# Allegro board pc065a_toplevel_16_allplaced.brd (continued)
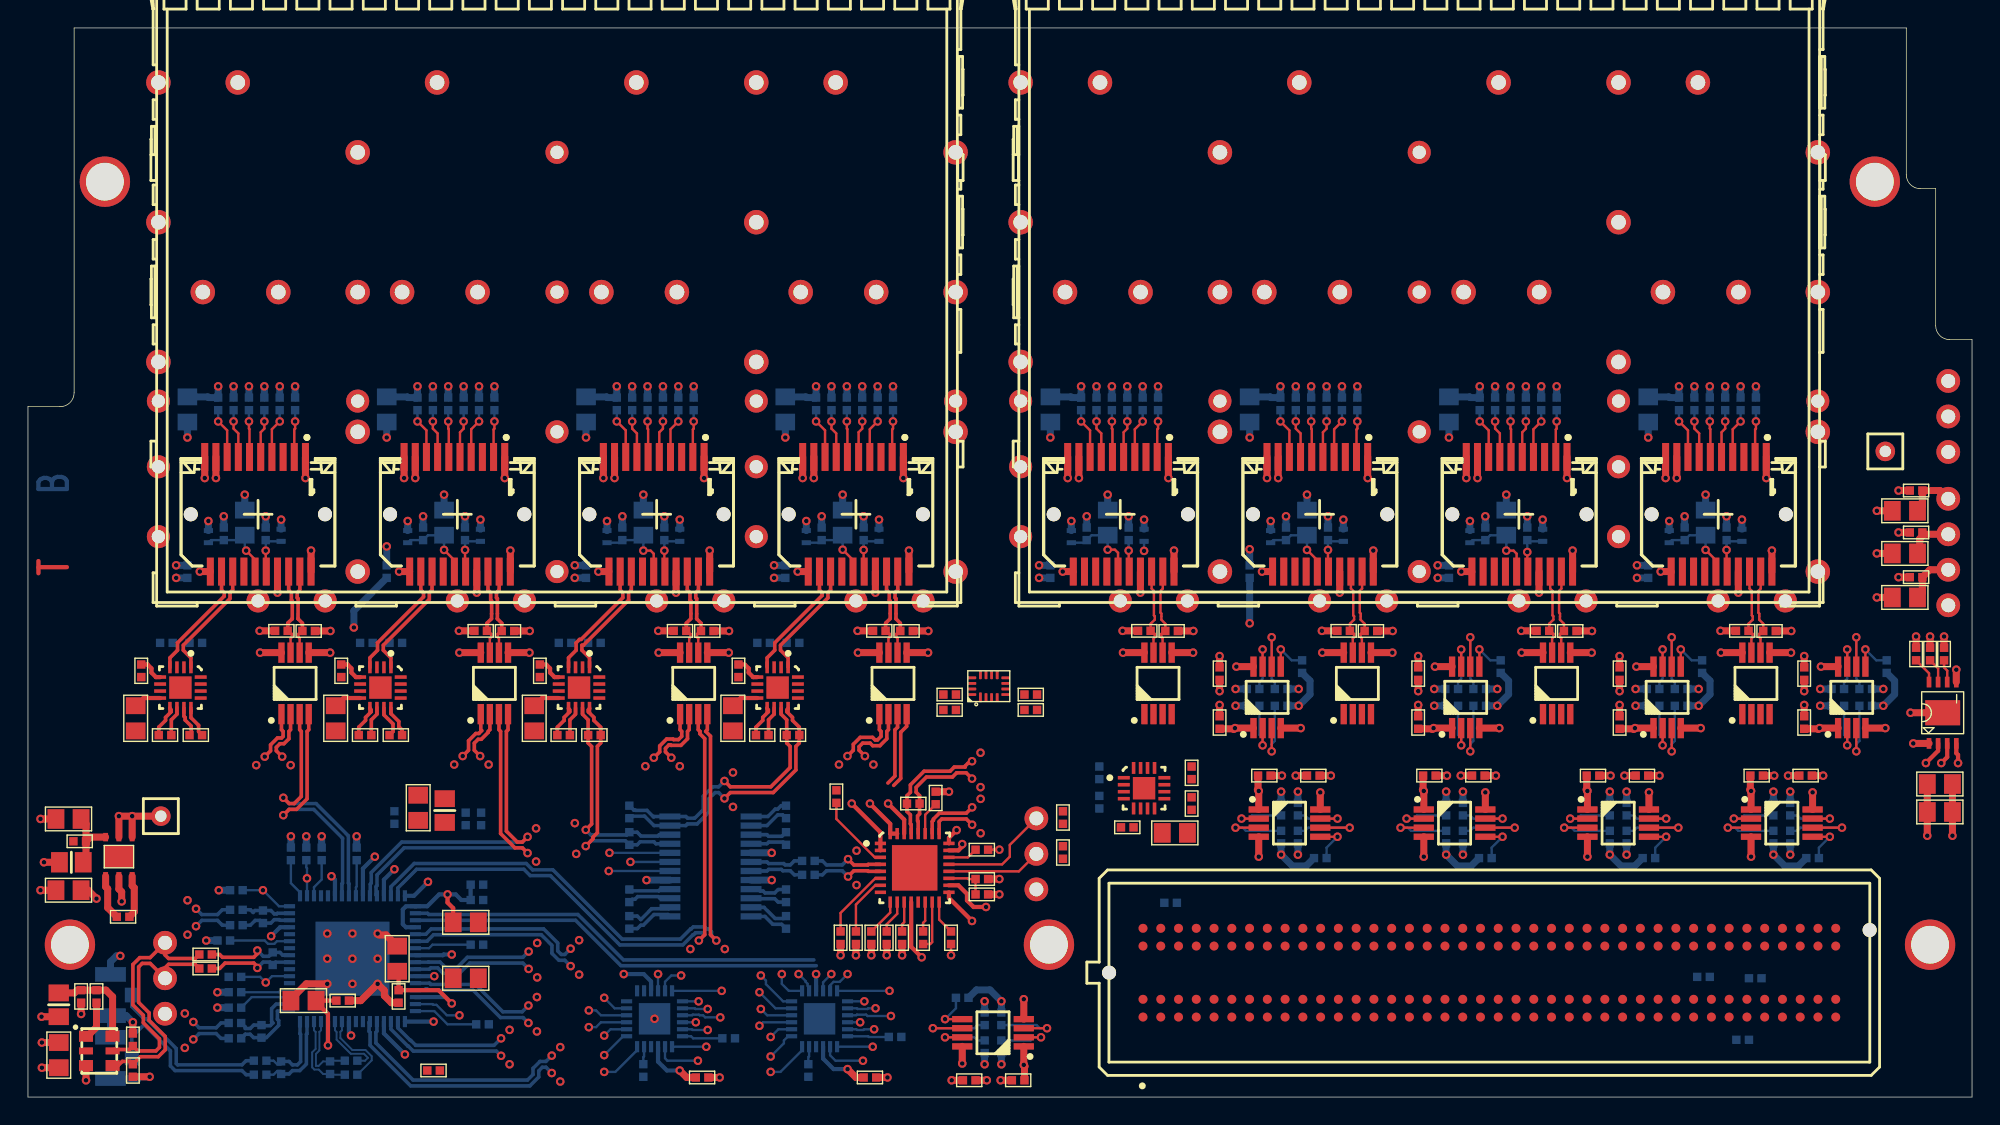
[diagram p0: board, top side]
## Nets (continued)
FMC_LA_P<14>: IC17.3 J10.C18 R156.1
FMC_LA_P<15>: J10.H19 U10.1
FMC_LA_P<16>: J10.G18
FMC_LA_P<17>: J10.D20
FMC_LA_P<18>: IC19.3 J10.C22 R166.1
FMC_LA_P<19>: J10.H22 U9.1
FMC_LA_P<20>: J10.G21
FMC_LA_P<21>: J10.H25 U8.1
FMC_LA_P<22>: J10.G24
FMC_LA_P<23>: J10.D23
FMC_LA_P<24>: J10.H28 U7.1
FMC_LA_P<25>: J10.G27
FMC_LA_P<26>: IC21.7 J10.D26
FMC_LA_P<27>: IC21.6 J10.C26
FMC_LA_P<28>: IC5.10 J10.H31 R65.2(B<0>)
FMC_LA_P<29>: J10.G30
FMC_LA_P<30>: IC6.10 J10.H34 R69.2(B<0>)
FMC_LA_P<31>: J10.G33
FMC_LA_P<32>: IC7.10 J10.H37 R73.2(B<0>)
FMC_LA_P<33>: J10.G36
GBTCLK0_M2C_N: J10.D5
GBTCLK0_M2C_P: J10.D4
I2C_SCL: IC3.16 IC9.20 IC10.19 IC11.7 IC23.19 J1.2 R7.2(B<0>) R94.1 R135.1
I2C_SCL_CVCC: IC11.2 J10.C30 R132.1
I2C_SDA: IC3.18 IC9.21 IC10.20(SDA) IC11.6 IC23.20(SDA) J1.3(A<2>) R8.2(B<0>) R93.1 R134.1
I2C_SDA_CVCC: IC11.3 J10.C31 R131.1
MOD_ABS: J7.6 R26.1
MOD_ABS_1: J12.6 R38.1
MOD_ABS_2: J16.6 R46.1
MOD_ABS_3: J20.6 R54.1
MOD_ABS_4: J24.6 R103.1
MOD_ABS_5: J28.6 R111.1
MOD_ABS_6: J32.6 R119.1
MOD_ABS_7: J36.6 R127.1
MUX_OUT_N: C55.1 IC8.19
MUX_OUT_P: C56.1 IC8.18
MUX_SEL<0>: IC8.6 IC21.15(1B<0>)
MUX_SEL<1>: IC8.7 IC21.14
MUX_SEL<2>: IC8.8 IC21.13
OSC_N: C30.2(B<0>) J5.3(A<2>) QZ1.5 R4.2(B<0>)
OSC_P: C29.2(B<0>) J5.2 QZ1.4(OUTP) R5.2(B<0>)
POWER_GOOD: J10.D1 R182.2(B<0>) U11.7
PRSNT_L: J10.H2 R30.2(B<0>)
RD_BUF_N<0>: IC4.4 J7.12
RD_BUF_N<1>: IC5.4 J12.12
RD_BUF_N<2>: IC6.4 J16.12
RD_BUF_N<3>: IC7.4 J20.12
RD_BUF_P<0>: IC4.1 J7.13
RD_BUF_P<1>: IC5.1 J12.13
RD_BUF_P<2>: IC6.1 J16.13
RD_BUF_P<3>: IC7.1 J20.13
RD_MUX_N<0>: IC4.11 IC8.2 R60.1 R74.2(B<0>)
RD_MUX_N<1>: IC5.11 IC8.4 R64.1 R75.2(B<0>)
RD_MUX_N<2>: IC6.11 IC8.10 R68.1 R76.2(B<0>)
RD_MUX_N<3>: IC7.11 IC8.12 R72.1 R77.2(B<0>)
RD_MUX_N<4>: IC8.13 J36.12 R78.2(B<0>)
RD_MUX_N<5>: IC8.15 J32.12 R79.2(B<0>)
RD_MUX_N<6>: IC8.21 J28.12 R80.2(B<0>)
RD_MUX_N<7>: IC8.23 J24.12 R81.2(B<0>)
RD_MUX_P<0>: IC4.12 IC8.1(PCLK<0>) R60.2(B<0>) R74.1
RD_MUX_P<1>: IC5.12 IC8.3 R64.2(B<0>) R75.1
RD_MUX_P<2>: IC6.12 IC8.9 R68.2(B<0>) R76.1
RD_MUX_P<3>: IC7.12 IC8.11 R72.2(B<0>) R77.1
RD_MUX_P<4>: IC8.14 J36.13 R78.1
RD_MUX_P<5>: IC8.16 J32.13 R79.1
RD_MUX_P<6>: IC8.22 J28.13 R80.1
RD_MUX_P<7>: IC8.24 J24.13 R81.1
REC_CLK_FPGA_N: IC13.11 J10.H5 R97.1
REC_CLK_FPGA_P: IC13.12 J10.H4 R97.2(B<0>)
RST_I2C_B: IC10.24 IC21.12 IC23.24
RST_I2C_B_CVCC: IC21.9 J10.D27
SFP_FAULT<0>: IC10.10 J7.2 R24.2(B<0>)
SFP_FAULT<1>: IC10.11 J12.2 R36.2(B<0>)
SFP_FAULT<2>: IC10.12 J16.2 R44.2(B<0>)
SFP_FAULT<3>: IC10.13 J20.2 R52.2(B<0>)
SFP_FAULT<4>: IC10.14 J36.2 R125.2(B<0>)
SFP_FAULT<5>: IC10.15 J32.2 R117.2(B<0>)
SFP_FAULT<6>: IC10.16 J28.2 R109.2(B<0>)
SFP_FAULT<7>: IC10.17 J24.2 R101.2(B<0>)
SFP_I2C_SCL<0>: IC12.7 J7.5 R27.1 R140.1
SFP_I2C_SCL<1>: IC14.7 J12.5 R39.1 R145.1
SFP_I2C_SCL<2>: IC15.7 J16.5 R47.1 R150.1
SFP_I2C_SCL<3>: IC16.7 J20.5 R55.1 R155.1
SFP_I2C_SCL<4>: IC17.7 J36.5 R128.1 R160.1
SFP_I2C_SCL<5>: IC18.7 J32.5 R120.1 R165.1
SFP_I2C_SCL<6>: IC19.7 J28.5 R112.1 R170.1
SFP_I2C_SCL<7>: IC20.7 J24.5 R104.1 R175.1
SFP_I2C_SDA<0>: IC12.6 J7.4 R28.1 R139.1
SFP_I2C_SDA<1>: IC14.6 J12.4 R40.1 R144.1
SFP_I2C_SDA<2>: IC15.6 J16.4 R48.1 R149.1
SFP_I2C_SDA<3>: IC16.6 J20.4 R56.1 R154.1
SFP_I2C_SDA<4>: IC17.6 J36.4 R129.1 R159.1
SFP_I2C_SDA<5>: IC18.6 J32.4 R121.1 R164.1
SFP_I2C_SDA<6>: IC19.6 J28.4 R113.1 R169.1
SFP_I2C_SDA<7>: IC20.6 J24.4 R105.1 R174.1
SFP_LOS<0>: IC23.10 J7.8 R25.2(B<0>)
SFP_LOS<1>: IC23.11 J12.8 R37.2(B<0>)
SFP_LOS<2>: IC23.12 J16.8 R45.2(B<0>)
SFP_LOS<3>: IC23.13 J20.8 R53.2(B<0>)
SFP_LOS<4>: IC23.14 J36.8 R126.2(B<0>)
SFP_LOS<5>: IC23.15 J32.8 R118.2(B<0>)
SFP_LOS<6>: IC23.16 J28.8 R110.2(B<0>)
SFP_LOS<7>: IC23.17 J24.8 R102.2(B<0>)
SFP_TD_N: J7.19 R23.1 U3.6
SFP_TD_N_1: J12.19 R35.1 U4.6
SFP_TD_N_2: J16.19 R43.1 U5.6
SFP_TD_N_3: J20.19 R51.1 U6.6
SFP_TD_N_4: J24.19 R100.1 U7.6
SFP_TD_N_5: J28.19 R108.1 U8.6
SFP_TD_N_6: J32.19 R116.1 U9.6
SFP_TD_N_7: J36.19 R124.1 U10.6
SFP_TD_P: J7.18 R22.1 U3.7(Q_P)
SFP_TD_P_1: J12.18 R34.1 U4.7(Q_P)
SFP_TD_P_2: J16.18 R42.1 U5.7(Q_P)
SFP_TD_P_3: J20.18 R50.1 U6.7(Q_P)
SFP_TD_P_4: J24.18 R99.1 U7.7(Q_P)
SFP_TD_P_5: J28.18 R107.1 U8.7(Q_P)
SFP_TD_P_6: J32.18 R115.1 U9.7(Q_P)
SFP_TD_P_7: J36.18 R123.1 U10.7(Q_P)
SFP_TX_DISABLE<0>: IC10.1 J7.3
SFP_TX_DISABLE<1>: IC10.2 J12.3
SFP_TX_DISABLE<2>: IC10.3 J16.3
SFP_TX_DISABLE<3>: IC10.4 J20.3
SFP_TX_DISABLE<4>: IC10.5 J36.3
SFP_TX_DISABLE<5>: IC10.6 J32.3
SFP_TX_DISABLE<6>: IC10.7 J28.3
SFP_TX_DISABLE<7>: IC10.8 J24.3
TCK: J10.D29
TDI: J10.D30
TDO: J10.D31
TMS: J10.D33
TRST_L: J10.D34
UNNAMED_1_CAPCERSMDCL2_I31_B: C34.2(B<0>) C35.2(B<0>) J7.15 L5.1
UNNAMED_1_CAPCERSMDCL2_I31_B_1: C43.2(B<0>) C44.2(B<0>) J12.15 L7.1
UNNAMED_1_CAPCERSMDCL2_I31_B_2: C48.2(B<0>) C49.2(B<0>) J16.15 L9.1
UNNAMED_1_CAPCERSMDCL2_I31_B_3: C53.2(B<0>) C54.2(B<0>) J20.15 L11.1
UNNAMED_1_CAPCERSMDCL2_I31_B_4: C62.2(B<0>) C63.2(B<0>) J24.15 L13.1
UNNAMED_1_CAPCERSMDCL2_I31_B_5: C67.2(B<0>) C68.2(B<0>) J28.15 L15.1
UNNAMED_1_CAPCERSMDCL2_I31_B_6: C72.2(B<0>) C73.2(B<0>) J32.15 L17.1
UNNAMED_1_CAPCERSMDCL2_I31_B_7: C77.2(B<0>) C78.2(B<0>) J36.15 L19.1
UNNAMED_1_CAPCERSMDCL2_I35_B: C33.2(B<0>) J7.16 L4.2(B<0>)
UNNAMED_1_CAPCERSMDCL2_I35_B_1: C42.2(B<0>) J12.16 L6.2(B<0>)
UNNAMED_1_CAPCERSMDCL2_I35_B_2: C47.2(B<0>) J16.16 L8.2(B<0>)
UNNAMED_1_CAPCERSMDCL2_I35_B_3: C52.2(B<0>) J20.16 L10.2(B<0>)
UNNAMED_1_CAPCERSMDCL2_I35_B_4: C61.2(B<0>) J24.16 L12.2(B<0>)
UNNAMED_1_CAPCERSMDCL2_I35_B_5: C66.2(B<0>) J28.16 L14.2(B<0>)
UNNAMED_1_CAPCERSMDCL2_I35_B_6: C71.2(B<0>) J32.16 L16.2(B<0>)
UNNAMED_1_CAPCERSMDCL2_I35_B_7: C76.2(B<0>) J36.16 L18.2(B<0>)
UNNAMED_1_CON20PSFP_I19_RATES_1: J12.7 R41.1
UNNAMED_1_CON20PSFP_I19_RATES_2: J16.7 R49.1
UNNAMED_1_CON20PSFP_I19_RATES_3: J20.7 R57.1
UNNAMED_1_CON20PSFP_I19_RATES_4: J24.7 R106.1
UNNAMED_1_CON20PSFP_I19_RATES_5: J28.7 R114.1
UNNAMED_1_CON20PSFP_I19_RATES_6: J32.7 R122.1
UNNAMED_1_CON20PSFP_I19_RATES_7: J36.7 R130.1
UNNAMED_1_CON20PSFP_I19_RATESEL: J7.7 R29.1
UNNAMED_1_RSMD0402_I7_B: IC11.5 R133.2(B<0>)
UNNAMED_1_RSMD0402_I7_B_1: IC12.5 R138.2(B<0>)
UNNAMED_1_RSMD0402_I7_B_2: IC14.5 R143.2(B<0>)
UNNAMED_1_RSMD0402_I7_B_3: IC15.5 R148.2(B<0>)
UNNAMED_1_RSMD0402_I7_B_4: IC16.5 R153.2(B<0>)
UNNAMED_1_RSMD0402_I7_B_5: IC17.5 R158.2(B<0>)
UNNAMED_1_RSMD0402_I7_B_6: IC18.5 R163.2(B<0>)
UNNAMED_1_RSMD0402_I7_B_7: IC19.5 R168.2(B<0>)
UNNAMED_1_RSMD0402_I7_B_8: IC20.5 R173.2(B<0>)
UNNAMED_1_RSMD0402_I10_B: IC4.3 R59.2(B<0>)
UNNAMED_1_RSMD0402_I10_B_1: IC5.3 R63.2(B<0>)
UNNAMED_1_RSMD0402_I10_B_2: IC6.3 R67.2(B<0>)
UNNAMED_1_RSMD0402_I10_B_3: IC7.3 R71.2(B<0>)
UNNAMED_1_RSMD0402_I10_B_4: IC13.3 R96.2(B<0>)
UNNAMED_1_RSMD0402_I11_B: IC4.2(VT) R58.2(B<0>)
UNNAMED_1_RSMD0402_I11_B_1: IC5.2(VT) R62.2(B<0>)
UNNAMED_1_RSMD0402_I11_B_2: IC6.2(VT) R66.2(B<0>)
UNNAMED_1_RSMD0402_I11_B_3: IC7.2(VT) R70.2(B<0>)
UNNAMED_1_RSMD0402_I11_B_4: IC13.2(VT) R95.2(B<0>)
UNNAMED_4_FMCLPCGENERIC_I1_GA0: J10.C34 R184.2(B<0>)
UNNAMED_4_FMCLPCGENERIC_I1_GA1: J10.D35 R185.2(B<0>)
UNNAMED_7_CAPCERSMDCL2_I28_B: C101.2(B<0>) U11.8
UNNAMED_7_CON3P_I14_A: J39.1 TP10.1(A<0>)
UNNAMED_7_MP20075REG_I17_REF: R183.2(B<0>) U11.6
UNNAMED_8_DSC1123CI5_I74_EN: QZ1.1 R3.2(B<0>)
UNNAMED_8_LP38692SD_I104_EN: R2.2(B<0>) U2.3
UNNAMED_8_RSMD0402_I25_B: IC3.3 R20.2(B<0>)
UNNAMED_8_RSMD0402_I26_B: IC3.4 R21.2(B<0>)
UNNAMED_8_RSMD0402_I28_B: IC3.48 R18.2(B<0>)
UNNAMED_8_RSMD0402_I29_B: IC3.25 R19.2(B<0>)
UNNAMED_8_RSMD0402_I30_B: IC3.39 R6.2(B<0>)
UNNAMED_8_RSMD0402_I66_B: IC3.11 R10.2(B<0>)
UNNAMED_8_RSMD0402_I67_B: IC3.17 R11.2(B<0>)
UNNAMED_8_RSMD0402_I68_B: IC3.19 R12.2(B<0>)
UNNAMED_10_ADN2814_I34_CF1: C58.1 IC9.15
UNNAMED_10_ADN2814_I34_CF2: C58.2(B<0>) IC9.14
UNNAMED_10_ADN2814_I34_LOL: IC9.16 R91.1
UNNAMED_10_ADN2814_I34_LOS: IC9.22 R89.2(B<0>)
UNNAMED_10_ADN2814_I34_REFCLKN: IC9.11 R85.2(B<0>)
UNNAMED_10_ADN2814_I34_REFCLKP: IC9.10 R84.2(B<0>)
UNNAMED_10_ADN2814_I34_SADDRS: IC9.19 R82.2(B<0>) R83.2(B<0>)
UNNAMED_10_ADN2814_I34_SLICEN: IC9.7 R87.2(B<0>)
UNNAMED_10_ADN2814_I34_SLICEP: IC9.6 R86.2(B<0>)
UNNAMED_10_ADN2814_I34_SQUELCH: IC9.27 R90.1
UNNAMED_10_ADN2814_I34_THRADJ: IC9.9 R88.2(B<0>)
UNNAMED_10_ADN2814_I34_VREF: C57.1 IC9.3(VREF)
UNNAMED_13_74AVC4T245BRIS_I75_1: IC21.4 R176.1
UNNAMED_13_74AVC4T245BRIS_I75_2: IC21.1 R177.2(B<0>)
UNNAMED_13_74AVC4T245BRIS_I76_1: IC21.16 R179.2(B<0>)
UNNAMED_13_74AVC4T245BRIS_I76_2: IC21.5 R178.1
UNNAMED_13_RSMD0402_I6_B: IC10.18 R31.2(B<0>)
UNNAMED_13_RSMD0402_I8_B: IC10.23 R32.2(B<0>)
UNNAMED_13_RSMD0402_I45_B: IC23.18 R180.2(B<0>)
UNNAMED_13_RSMD0402_I46_B: IC23.23 R181.2(B<0>)
VADJ: J10.G39 J10.H40 J39.3(A<2>)
VREF_A_M2C: J10.H1
XA: C29.1 IC3.8 R17.1
XB: C30.1 IC3.9(XB) R17.2(B<0>)

Pads without a net: IC3 5 7 10 20 21 55 56; IC10 22; IC23 6 7 8 22; NOREF 1; NOREF#2 1; NOREF#3 1; NOREF#4 1; NOREF#5 1; QZ1 2; SFP1 NC; SFP2 NC

## Via types
v1: diameter 0.61, hole 0.33, TOP to BOTTOM, 600 vias

## Routing (per net, layer and track width the routed paths; a pad name or vN(x,y) marks a point on that pad's centre or on a via; arc(x,y) is an arc through that point)
GND: length 208.4
  TOP w0.3: v1(136.8,23.9) 137.22,24.33 137.22,25.3 ; IC9.17 65.85,14.25 v1(67.5,12.6) ; IC9.23 66.53,17.65 66.8,17.92 v1(66.8,18.1) ; v1(61.5,21) 62.65,19.85 IC9.30
  TOP w0.5: J16.20 v1(48.74,39.1) ; J7.9 v1(13.44,44.3) ; IC14.4 v1(99.8,17.2) ; J16.1 v1(48.34,44.3) ; J28.10 v1(102.84,44.3) ; J7.10 v1(12.64,44.3) ; J28.1 v1(110.04,44.3) ; J12.1 v1(34.09,44.3) ; C101.1 v1(135,32.95) ; J20.17 v1(60.59,36.1) ; C98.1 v1(49.45,1.4) ; J7.11 v1(12.29,37.6) ; v1(137.6,18.7) C100.1 C99.1 ; IC15.4 v1(111.5,17.2) ; C83.1 v1(101.45,23) ; J24.10 v1(117.09,44.3) ; J12.10 v1(26.89,44.3) ; J20.11 v1(55.04,37.6) ; C82.1 v1(93.15,23) ; C88.1 v1(128.35,23) ; J32.1 v1(95.79,44.3) ; J12.11 v1(26.54,37.6) ; C39.1 v1(132.2,38.9) ; U9.5 v1(97.55,31.8) ; U11.9 v1(134.6,27.5) ; J32.11 v1(88.24,37.6) ; C94.1 v1(113.8,31.55) ; J28.11 v1(102.49,37.6) ; J20.10 v1(55.39,44.3) ; J24.11 v1(116.74,37.6) ; C38.1 v1(133.75,40.4) ; R86.1 v1(58.1,10.15) ; R85.1 v1(62.5,10.15) ; C81.1 v1(89.65,23) ; J20.20 v1(62.99,39.1) ; U5.5 v1(50.1,31.8) ; J28.17 v1(108.04,36.1) ; R83.1 v1(69.45,14.5) ; J32.17 v1(93.79,36.1) ; J7.20 v1(20.24,39.1) ; C4.1 4.3,14.8 v1(4.9,14.2) ; J36.20 v1(81.94,39.1) ; U6.5 v1(64.35,31.8) ; J36.1 v1(81.54,44.3) ; R87.1 v1(59.2,10.15) ; J32.10 v1(88.59,44.3) ; 103.78,26.4 v1(105.2,26.4) ; v1(6.7,14) 6.7,14.68 6.5,14.88 U2.2 ; J7.17 v1(17.84,36.1) ; IC19.4 v1(119.6,26.4) ; C36.1 v1(133.75,37.2) ; v1(21.4,8.1) 19.9,8.1 18.8,7 C19.1 ; J20.1 v1(62.59,44.3) ; IC20.4 v1(132.8,26.4) ; 81.78,31.8 v1(83.3,31.8) ; C2.1 v1(132.2,41.95) ; R90.2 v1(65.85,21.85) ; C16.1 25.6,11.6 25.1,11.6 v1(25,11.7) ; QZ1.3 v1(4.15,1.2) ; J20.9 v1(56.19,44.3) ; R88.1 v1(60.3,10.15) ; C87.1 v1(124.85,23) ; J16.11 v1(40.79,37.6) ; J24.9 v1(117.89,44.3) ; C89.1 v1(85.2,28.05) ; J16.10 v1(41.14,44.3) ; C20.1 23.8,6.9 v1(25,8.1) 25.48,7.62 25.48,7.25 25.98,6.75 C18.1 ; C90.1 v1(85.2,31.55) ; C92.1 v1(99.4,31.55) ; J16.9 v1(41.94,44.3) ; C95.1 v1(127,28.05) ; 110.28,31.8 v1(111.8,31.8) ; J7.1 v1(19.84,44.3) ; J16.17 v1(46.34,36.1) ; 89.58,26.4 v1(91,26.4) ; J12.17 v1(32.09,36.1) ; IC16.4 v1(123.2,17.2) ; C37.1 v1(132.2,35.75) ; J12.20 v1(34.49,39.1) ; C6.1 v1(1,2.1) ; J24.20 v1(124.69,39.1) ; J24.1 v1(124.29,44.3) ; J32.20 v1(96.19,39.1) ; 34.33,31.8 v1(35.85,31.8) ; R5.1 v1(8.7,1.45) ; C97.1 v1(61.45,1.4) ; C96.1 v1(127,31.55) ; C91.1 v1(99.4,28.05) ; C1.1 v1(133.75,43.4) ; J32.9 v1(89.39,44.3) ; C84.1 v1(104.95,23) ; J12.9 v1(27.69,44.3) ; U3.5 v1(21.6,31.8) ; J36.10 v1(74.34,44.3) ; C79.1 v1(69.55,1.2) ; J28.20 v1(110.44,39.1) ; C10.1 v1(3.8,5.95) ; U7.5 v1(126.05,31.8) ; J36.9 v1(75.14,44.3) ; IC11.4 v1(71.2,7) ; C93.1 v1(113.8,28.05) ; C80.1 v1(66.05,1.2) ; J36.11 v1(73.99,37.6) ; C86.1 v1(116.65,23) ; IC12.4 v1(88,17.2) ; C8.1 v1(0.9,19.9) ; J36.17 v1(79.54,36.1) ; R4.1 v1(7.5,5.35) ; C85.1 v1(113.15,23) ; J28.9 v1(103.64,44.3) ; J24.17 v1(122.29,36.1)
  BOTTOM w0.3: v1(42.6,8.8) 44.03,8.8 44.55,8.28 IC23.9 ; IC10.9 v1(56.35,8.8)
  BOTTOM w0.5: R12.1 v1(21,18.65) ; C61.1 v1(121.45,41.55) ; C72.1 v1(91.45,43.1) ; v1(6.6,10.1) 6.32,10.1 5.9,9.68 PX2.3 ; R21.1 v1(13.55,7.5) ; C45.1 v1(39.1,38.05) ; C54.1 v1(56.75,41.55) ; C51.1 v1(54.15,47.2) ; C31.1 v1(10.6,38.05) ; C78.1 v1(75.7,41.55) ; C33.1 v1(17,41.55) ; C53.1 v1(58.25,43.1) ; C74.1 v1(72.3,38.05) ; C47.1 v1(45.5,41.55) ; C73.1 v1(89.95,41.55) ; 51.7,17.48 v1(53.17,17.48) ; C42.1 v1(31.25,41.55) ; C66.1 v1(107.2,41.55) ; C70.1 v1(87.35,47.2) ; R19.1 v1(23.5,18.65) ; R20.1 v1(13.55,6.4) ; C52.1 v1(59.75,41.55) ; C68.1 v1(104.2,41.55) ; R10.1 v1(12.75,11.2) ; C34.1 v1(15.5,43.1) ; C63.1 v1(118.45,41.55) ; PX1.3 PX2.2 7.03,5.83 v1(7.5,5.35) ; C50.1 v1(53.35,38.05) ; C43.1 v1(29.75,43.1) ; C64.1 v1(100.8,38.05) ; C77.1 v1(77.2,43.1) ; C35.1 v1(14,41.55) ; C48.1 v1(44,43.1) ; C32.1 v1(11.4,47.2) ; C75.1 v1(73.1,47.2) ; C60.1 v1(115.85,47.2) ; C65.1 v1(101.6,47.2) ; C44.1 v1(28.25,41.55) ; C67.1 v1(105.7,43.1) ; PX1.2 7.89,1.33 8.02,1.45 v1(8.7,1.45) ; C69.1 v1(87.35,39.2) ; C49.1 v1(42.5,41.55) ; C76.1 v1(78.7,41.55) ; C62.1 v1(119.95,43.1) ; R11.1 v1(18.8,18.65) ; C59.1 v1(115.05,38.05) ; C71.1 v1(92.95,41.55) ; C41.1 v1(25.65,47.2) ; C46.1 v1(39.9,47.2) ; C40.1 v1(25.65,39.4)
  vias: v1(11.21,5.98) v1(11.21,3.52) v1(11.41,14.08) v1(11.41,11.62) v1(16.32,23.75) v1(18.78,23.75) v1(21.4,11.7) v1(21.4,9.9) v1(23.2,11.7) v1(23.2,9.9) v1(23.2,8.1) v1(25,9.9) v1(30.48,23.79) v1(32.94,23.79) v1(34.43,4.81) v1(34.43,2.35) v1(36.33,19.23) v1(36.33,16.85) v1(36.41,11.02) v1(36.41,8.56) v1(36.39,7.16) v1(36.39,4.69) v1(38.06,3.57) v1(38.06,1.11) v1(39.1,19.6) v1(39.2,17.4) v1(39.41,11.22) v1(39.41,8.76) v1(44.14,23.67) v1(44.8,5.6) v1(46.61,23.67) v1(47.36,10.59) v1(49.82,10.59) v1(50.41,23.22) v1(50.41,20.76) v1(57.99,23.79) v1(59.24,17.63) v1(59.24,15.17) v1(60.45,23.79) v1(68.11,24.64) v1(68.11,22.18) v1(68.11,21.34) v1(68.11,18.88)
P1V3: length 28.3
  TOP w0.3: v1(135.7,23.9) 136.57,24.77 136.57,25.3 ; 137.88,25.3 137.88,24.61 138,24.48 v1(138,23.9)
  TOP w0.5: R108.2 v1(111.82,33.35) ; R123.2 v1(78.27,33.36) ; R116.2 v1(97.57,33.35) ; R43.2 v1(50.12,33.35) ; R124.2 v1(83.32,33.35) ; R107.2 v1(106.77,33.36) ; R35.2 v1(35.87,33.35) ; R51.2 v1(64.37,33.35) ; R115.2 v1(92.52,33.36) ; v1(135.8,18.7) C100.2 C99.2 ; C37.2 135.45,36.1 C36.2 135.98,37.73 J40.2 ; R99.2 v1(121.02,33.36) ; R42.2 v1(45.07,33.36) ; R22.2 v1(16.57,33.36) ; R23.2 v1(21.62,33.35) ; R34.2 v1(30.82,33.36) ; R50.2 v1(59.32,33.36) ; R100.2 v1(126.07,33.35)
P1V8A: length 23.1
  TOP w0.3: v1(30.3,6.7) 29.35,7.65 C18.2 26.5,8.62 26.4,8.72 C16.2 ; C20.2 C19.2 20.6,6.8 21.45,5.95 v1(21.45,3.7)
  TOP w0.5: U2.5 v1(6.5,20.1) v1(7.45,20.1) ; v1(7.45,20.1) TP1.1 ; v1(7.45,20.1) U2.4
  BOTTOM w0.3: IC3.32 27.6,14.4 v1(28.6,15.4) ; v1(30.3,6.7) 29.85,7.15 IC3.46 ; IC3.60 v1(21.45,3.7)
P2V5: length 83.2
  TOP w0.3: IC5.8 22.55,28.55 C105.2 ; IC4.5 9.15,30.05 8.83,30.37 8.83,30.67 8.55,30.95 C102.2 ; IC6.8 36.75,28.55 C107.2 ; C108.2 51.25,30.95 51.53,30.67 51.53,30.37 51.85,30.05 IC7.5 ; C106.2 37.05,30.95 37.33,30.67 37.33,30.37 37.65,30.05 IC6.5 ; IC4.8 8.25,28.55 C103.2 ; C104.2 22.85,30.95 23.13,30.67 23.13,30.37 23.45,30.05 IC5.5 ; C109.2 50.95,28.55 IC7.8
  TOP w0.5: IC18.1 v1(100.5,26.4) 100.45,26.35 ; 86.2,26.3 86.25,26.35 ; 86.25,26.35 C89.2 ; 86.25,26.35 v1(86.3,26.4) IC17.1 ; 71.2,3.62 v1(71.2,2.3) 71.25,2.25 ; C38.2 135.58,40.27 ; 135.58,40.27 135.26,39.95 135.26,39.06 C39.2 ; 135.58,40.27 J40.3 ; 129.43,26.4 v1(128.1,26.4) 128.05,26.35 ; 100.45,26.35 100.4,26.3 ; 100.45,26.35 C91.2 ; 71.25,2.25 71.3,2.2 ; 71.25,2.25 C79.2 ; 123.1,22 123.15,21.95 ; 123.15,21.95 C87.2 ; 123.15,21.95 v1(123.2,21.9) 123.2,20.58 ; 111.5,20.58 v1(111.5,21.9) 111.45,21.95 ; 111.45,21.95 111.4,22 ; 111.45,21.95 C85.2 ; 116.22,26.4 v1(114.9,26.4) 114.85,26.35 ; 87.9,22 87.95,21.95 ; 87.95,21.95 v1(88,21.9) 88,20.58 ; 87.95,21.95 C81.2 ; 99.7,22 99.75,21.95 ; 99.75,21.95 C83.2 ; 99.75,21.95 v1(99.8,21.9) 99.8,20.58 ; 128,26.3 128.05,26.35 ; 128.05,26.35 C95.2 ; 114.85,26.35 114.8,26.3 ; 114.85,26.35 C93.2 ; R183.1 v1(137,32.95)
  BOTTOM w0.5: R163.1 105.87,29.78 105.87,28.81 v1(105.05,28) R161.2 ; R151.2 v1(124.8,17.35) 125.61,16.53 126.58,16.53 R153.1 ; R143.1 103.18,16.53 102.21,16.53 v1(101.4,17.35) R141.2 ; R142.2 v1(101.4,21.85) ; R137.2 v1(89.6,21.85) ; R156.2 v1(90.85,28) 91.67,28.81 91.67,29.78 R158.1 ; R167.2 v1(114.95,28) ; R132.2 v1(69.6,2.35) ; R136.2 v1(89.6,17.35) 90.41,16.53 91.38,16.53 R138.1 ; R152.2 v1(124.8,21.85) ; R168.1 120.27,29.78 120.27,28.81 v1(119.45,28) R166.2 ; R172.2 v1(128.15,28) ; R131.2 v1(69.6,6.85) 68.79,7.67 67.82,7.67 R133.1 ; R157.2 v1(86.35,28) ; R171.2 v1(132.65,28) 133.47,28.81 133.47,29.78 R173.1 ; R148.1 114.88,16.53 113.91,16.53 v1(113.1,17.35) R146.2 ; R147.2 v1(113.1,21.85) ; R162.2 v1(100.55,28)
P3V3: length 165.8
  TOP w0.3: IC9.18 66.53,15.15 67.14,14.54 67.14,14.07 67.61,13.6 v1(68.5,13.6) ; v1(63.9,10) 63.15,10.75 IC9.12 ; IC9.2 IC9.1 60.95,18.95 v1(58.9,21) ; IC9.24 65.85,18.55 v1(66.4,19.1) ; IC9.31 IC9.32 61.65,19.55 v1(60.2,21)
  TOP w0.5: 129.43,30.8 v1(128.2,30.8) ; J40.4 136.71,43.4 C1.2 135.45,42.3 C2.2 ; 135.93,25.3 v1(134.8,25.3) ; C92.2 v1(99.4,29.05) ; U6.8 v1(59.35,31.8) ; C6.2 v1(1,3.9) ; R82.1 v1(69.45,15.6) ; C80.2 v1(68.55,1.2) ; R182.1 v1(136,32.95) ; C82.2 v1(90.65,23) ; 115.9,20.58 v1(115.9,21.8) ; 104.2,20.58 v1(104.2,21.8) ; U5.8 v1(45.1,31.8) ; C88.2 v1(125.85,23) ; 92.4,20.58 v1(92.4,21.8) ; U8.8 v1(106.8,31.8) ; v1(46.6,1.9) 47.1,1.4 C98.2 ; R84.1 v1(61.4,10.15) ; L3.1 v1(0.97,5.75) ; 127.6,20.58 v1(127.6,21.8) ; v1(58.6,2) 59.2,1.4 C97.2 ; U11.5 v1(137.88,30.58) ; L1.1 v1(1.15,16.8) ; IC17.8 v1(86.4,30.8) ; C96.2 v1(127,29.05) ; U4.8 v1(30.85,31.8) ; IC18.8 v1(100.6,30.8) ; C4.2 v1(0.9,14.8) ; C94.2 v1(113.8,29.05) ; 116.22,30.8 v1(115,30.8) ; 66.8,3.62 v1(66.8,2.4) ; U9.8 v1(92.55,31.8) ; 18.12,31.8 v1(16.6,31.8) ; U7.8 v1(121.05,31.8) ; C86.2 v1(114.15,23) ; C84.2 v1(102.45,23) ; C90.2 v1(85.2,29.05) ; U10.8 v1(78.3,31.8)
  BOTTOM w0.3: IC10.21 56.85,2.75 57.6,2 v1(58.6,2) ; v1(46.6,1.9) 45.68,1.9 45.05,2.53 IC23.21
  BOTTOM w0.5: R109.1 v1(109.3,50.85) ; R128.2 v1(78.6,50.85) ; C75.2 74.57,50.1 74.62,50.05 R126.1 v1(75.3,50.85) ; R27.2 v1(16.9,50.85) ; R155.2 v1(126,21.85) ; L14.1 v1(108.3,41.32) ; R175.2 v1(128.15,29.2) ; R145.2 v1(102.6,21.85) ; R111.2 v1(106,50.85) ; R56.2 v1(60.75,50.85) ; R120.2 v1(92.85,50.85) ; 55.65,40.54 v1(55.65,41.22) ; R114.2 v1(104.9,50.85) ; L10.1 v1(60.85,41.32) ; 12.9,40.54 v1(12.9,41.22) ; R129.2 v1(79.7,50.85) ; R121.2 v1(93.95,50.85) ; R119.2 v1(91.75,50.85) ; R164.2 v1(105.05,29.2) ; IC8.20 v1(53.17,15.53) ; R122.2 v1(90.65,50.85) ; L12.1 v1(122.55,41.32) ; 74.6,40.54 v1(74.6,41.22) ; R47.2 v1(45.4,50.85) ; R127.2 v1(77.5,50.85) ; C45.2 v1(39.1,37.15) ; R144.2 v1(102.6,17.35) ; R52.1 v1(61.85,50.85) ; R130.2 v1(76.4,50.85) ; L16.1 v1(94.05,41.32) ; L8.1 v1(46.6,41.32) ; R46.2 v1(44.3,50.85) ; R125.1 v1(80.8,50.85) ; 41.4,40.54 v1(41.4,41.22) ; v1(56.35,50.85) R53.1 55.67,50.05 55.62,50.1 C51.2 ; v1(118.05,50.85) R102.1 117.37,50.05 117.32,50.1 C60.2 ; v1(23.3,33.6) 23.3,34.8 C40.2 ; R150.2 v1(114.3,21.85) ; C31.2 v1(10.6,37.15) ; C70.2 88.82,50.1 88.87,50.05 R118.1 v1(89.55,50.85) ; R39.2 v1(31.15,50.85) ; C50.2 v1(53.35,37.15) ; R26.2 v1(15.8,50.85) ; R24.1 v1(19.1,50.85) ; C41.2 27.12,50.1 27.17,50.05 R37.1 v1(27.85,50.85) ; R48.2 v1(46.5,50.85) ; C59.2 v1(115.05,37.15) ; L18.1 v1(79.8,41.32) ; R44.1 v1(47.6,50.85) ; R112.2 v1(107.1,50.85) ; v1(13.6,50.85) R25.1 12.92,50.05 12.87,50.1 C32.2 ; C65.2 103.07,50.1 103.12,50.05 R110.1 v1(103.8,50.85) ; 117.35,40.54 v1(117.35,41.22) ; R117.1 v1(95.05,50.85) ; 103.1,40.54 v1(103.1,41.22) ; R54.2 v1(58.55,50.85) ; R101.1 v1(123.55,50.85) ; R104.2 v1(121.35,50.85) ; R170.2 v1(114.95,29.2) ; R41.2 v1(28.95,50.85) ; R38.2 v1(30.05,50.85) ; R140.2 v1(90.8,21.85) ; R139.2 v1(90.8,17.35) ; C74.2 v1(72.3,37.15) ; R169.2 v1(119.45,29.2) ; R28.2 v1(18,50.85) ; R106.2 v1(119.15,50.85) ; R105.2 v1(122.45,50.85) ; R159.2 v1(90.85,29.2) ; R36.1 v1(33.35,50.85) ; L6.1 v1(32.35,41.32) ; R165.2 v1(100.55,29.2) ; R113.2 v1(108.2,50.85) ; IC8.5 v1(44.23,15.53) ; v1(42.1,50.85) R45.1 41.42,50.05 41.37,50.1 C46.2 ; L4.1 v1(18.1,41.32) ; R149.2 v1(114.3,17.35) ; R40.2 v1(32.25,50.85) ; R57.2 v1(57.45,50.85) ; R174.2 v1(132.65,29.2) ; R135.2 v1(68.4,2.35) ; R49.2 v1(43.2,50.85) ; C64.2 v1(100.8,37.15) ; 27.15,40.54 v1(27.15,41.22) ; R154.2 v1(126,17.35) ; R55.2 v1(59.65,50.85) ; R134.2 v1(68.4,6.85) ; C69.2 v1(87.35,33.9) ; R160.2 v1(86.35,29.2) ; R103.2 v1(120.25,50.85) ; R29.2 v1(14.7,50.85) ; 88.85,40.54 v1(88.85,41.22)
P3V3A: length 11.3
  TOP w0.5: C5.2 4.15,19.55 C8.2 ; C5.2 4.15,17 L1.2 ; C5.2 4.45,18.6 U2.6 ; R2.1 5.7,13.55 5.7,14.9 5.55,15.05 U2.1
  BOTTOM w0.3: IC3.13 18.02,12.15 v1(17.39,11.51)
  BOTTOM w0.5: R7.1 v1(13.65,14.8) ; R8.1 v1(19.9,18.65)
P3V3B: length 27.7
  TOP w0.3: v1(30,14.5) 30,13.92 30.4,13.52 C12.2
  BOTTOM w0.3: IC3.57 22.95,4.55 v1(23.1,4.4) ; IC3.22 21.95,15.55 v1(21.7,15.8) ; IC3.49 v1(29,5.4) ; C7.2 C9.2 30.98,14.1 30.58,14.5 v1(30,14.5) 29.4,14.5 28.55,13.65 IC3.33 27.02,13.65 26.8,13.43 26.8,12.37 27.02,12.15 IC3.36 ; IC3.43 v1(29.05,8.65) ; v1(26.95,3.05) 25.45,4.55 IC3.52 ; IC3.29 25.45,15.55 v1(26.2,16.3) ; IC3.40 29.67,10.15 29.72,10.2 v1(30.3,10.2) ; IC3.26 23.95,16.35 v1(24.8,17.2)
P3V3C: length 7
  TOP w0.5: QZ1.6 6.05,7.18 5.58,7.65 R3.1 C10.2 3.52,7.65 3.32,7.45 L3.2
CDR_CLK_N: length 3.5
  TOP w0.254: v1(67.51,19.48) 67.09,19.9 65.34,19.9 65.15,19.71 IC9.25
CDR_CLK_P: length 4.2
  TOP w0.254: IC9.26 64.65,19.71 64.74,19.8 64.74,19.89 65.16,20.31 67.09,20.31 v1(67.51,20.73)
CDR_D_N: length 8.1
  TOP w0.254: IC9.28 63.65,19.71 63.61,19.76 63.61,20.12 63.75,20.26 R92.2 63.75,21.56 63.51,21.81 63.51,22.17 64.24,22.9 66.1,22.9 66.4,23.2 67.08,23.2 v1(67.5,22.78)
CDR_D_P: length 8.9
  TOP w0.254: v1(67.5,24.03) 67.36,23.89 67.21,23.89 67.01,23.69 67.01,23.61 66.23,23.61 65.93,23.31 64.07,23.31 63.09,22.34 63.09,21.81 62.85,21.56 R92.1 62.85,20.44 63.09,20.19 63.09,19.55 63.15,19.49 IC9.29
CDR_IN_N: length 5.2
  TOP w0.254: v1(58.63,15.78) 59.05,16.19 60.04,16.19 60.09,16.15 IC9.5
  BOTTOM w0.254: C55.2 56.8,15.9 57.1,16.19 58.22,16.19 v1(58.63,15.78)
CDR_IN_P: length 5.2
  TOP w0.254: IC9.4 60.09,16.65 60.04,16.61 59.05,16.61 v1(58.63,17.02)
  BOTTOM w0.254: C56.2 56.8,16.9 57.1,16.61 58.22,16.61 v1(58.63,17.02)
CDR_LOL: length 3.6
  TOP w0.17: R91.2 v1(66,10.15)
  BOTTOM w0.17: IC23.4 40.97,5.85 40.62,6.2 v1(40.1,6.2)
CDR_LOS: length 2.7
  TOP w0.17: R89.1 v1(69.45,17.7)
  BOTTOM w0.17: v1(41.2,7.1) 41.95,6.35 IC23.5
CLK_IN_N<0>: length 12
  BOTTOM w0.254: C22.2 15.6,2.6 15.3,2.31 10.69,2.31 10.6,2.4 10.6,3.47 8.47,5.6 8.3,5.6 7.42,6.48 PX2.1
CLK_IN_N<1>: length 2.8
  BOTTOM w0.254: v1(11.82,5.37) 12.24,4.96 13.45,4.96 13.8,5.3 C24.2
CLK_IN_N<2>: length 2.7
  BOTTOM w0.254: C26.2 13.9,13.4 13.55,13.06 12.43,13.06 v1(12.02,13.47)
CLK_IN_N<3>: length 5.8
  BOTTOM w0.14: IC3.58 22.45,4.78 22.34,4.66 22.34,4.22 23.19,3.37 24.13,3.37 24.58,2.92 24.58,2.63 C28.2
CLK_IN_P<0>: length 12.7
  BOTTOM w0.254: C21.2 15.6,1.6 15.3,1.89 10.52,1.89 10.19,2.23 10.19,3.3 8.3,5.19 7.42,4.31 PX1.1
CLK_IN_P<1>: length 2.8
  BOTTOM w0.254: v1(11.82,4.13) 12.24,4.54 13.45,4.54 13.8,4.2 C23.2
CLK_IN_P<2>: length 2.7
  BOTTOM w0.254: v1(12.02,12.23) 12.43,12.64 13.55,12.64 13.9,12.3 C25.2
CLK_IN_P<3>: length 5
  BOTTOM w0.14: C27.2 24.1,2.6 24.31,2.81 24.02,3.1 23.08,3.1 22.07,4.11 22.07,4.66 21.95,4.78 IC3.59
CLK_INTR_B: length 1.8
  BOTTOM w0.17: v1(41.2,4.4) 41.65,4.85 IC23.2
CLK_LOL_B: length 6.3
  BOTTOM w0.17: IC3.47 28.92,6.65 28.97,6.6 29.2,6.6 29.95,5.85 v1(30.85,5.85) ; v1(40.1,5) 40.62,5 40.97,5.35 IC23.3
CLK_MAIN_N<0>: length 17.7
  TOP w0.254: U3.4 20.07,26.29 19.96,26.17 19.96,21.34 19.2,20.59 18.67,20.59 v1(18.26,20.17)
  BOTTOM w0.254: IC3.23 22.45,15.27 22.49,15.31 22.49,18.52 20.43,20.59 18.67,20.59 v1(18.26,20.17)
CLK_MAIN_N<1>: length 24.4
  TOP w0.254: v1(35.72,18.62) 35.35,18.25 34.99,18.25 34.21,19.03 34.21,26.17 34.33,26.29 34.33,27.4
  BOTTOM w0.254: IC3.27 24.47,14.42 24.47,15.24 24.54,15.3 24.54,16.06 26.72,18.25 35.35,18.25 v1(35.72,18.62)
CLK_MAIN_N<2>: length 44.3
  TOP w0.254: U5.4 48.58,26.29 48.46,26.17 48.8,25.82 48.8,11.62 v1(49.22,11.2)
  BOTTOM w0.254: IC3.30 25.95,15.05 27.61,16.71 35.63,16.71 36.08,16.26 37.53,16.26 42.49,11.3 46.65,11.3 47.38,12.03 47.42,12.03 47.57,12.17 48.37,12.17 48.52,12.03 48.66,12.03 48.87,11.82 48.87,11.54 v1(49.22,11.2)
CLK_MAIN_N<3>: length 35.4
  TOP w0.254: U6.4 62.83,26.52 62.4,26.1 62.4,22.8 61.9,22.3
  BOTTOM w0.254: IC3.34 28.57,13.15 28.65,13.06 39.32,13.06 42.57,9.81 56.19,9.81
CLK_MAIN_N<4>: length 12.5
  BOTTOM w0.254: IC3.37 28.45,11.65 28.83,12.03 36.87,12.03 37.88,11.02 37.88,10.45 38.13,10.2 38.38,10.2 v1(38.8,10.62)
CLK_MAIN_N<5>: length 8.7
  BOTTOM w0.254: IC3.41 28.63,9.65 28.63,9.66 29.47,9.66 29.85,9.27 30.69,9.27 31.41,10 35.38,10 v1(35.8,10.42)
CLK_MAIN_N<6>: length 9.1
  BOTTOM w0.254: IC3.44 28.71,8.15 28.8,8.06 32,8.06 33.96,6.1 35.33,6.1 v1(35.78,6.55)
CLK_MAIN_N<7>: length 8.6